# KiCad board OLD_PCB.kicad_pcb (continued)
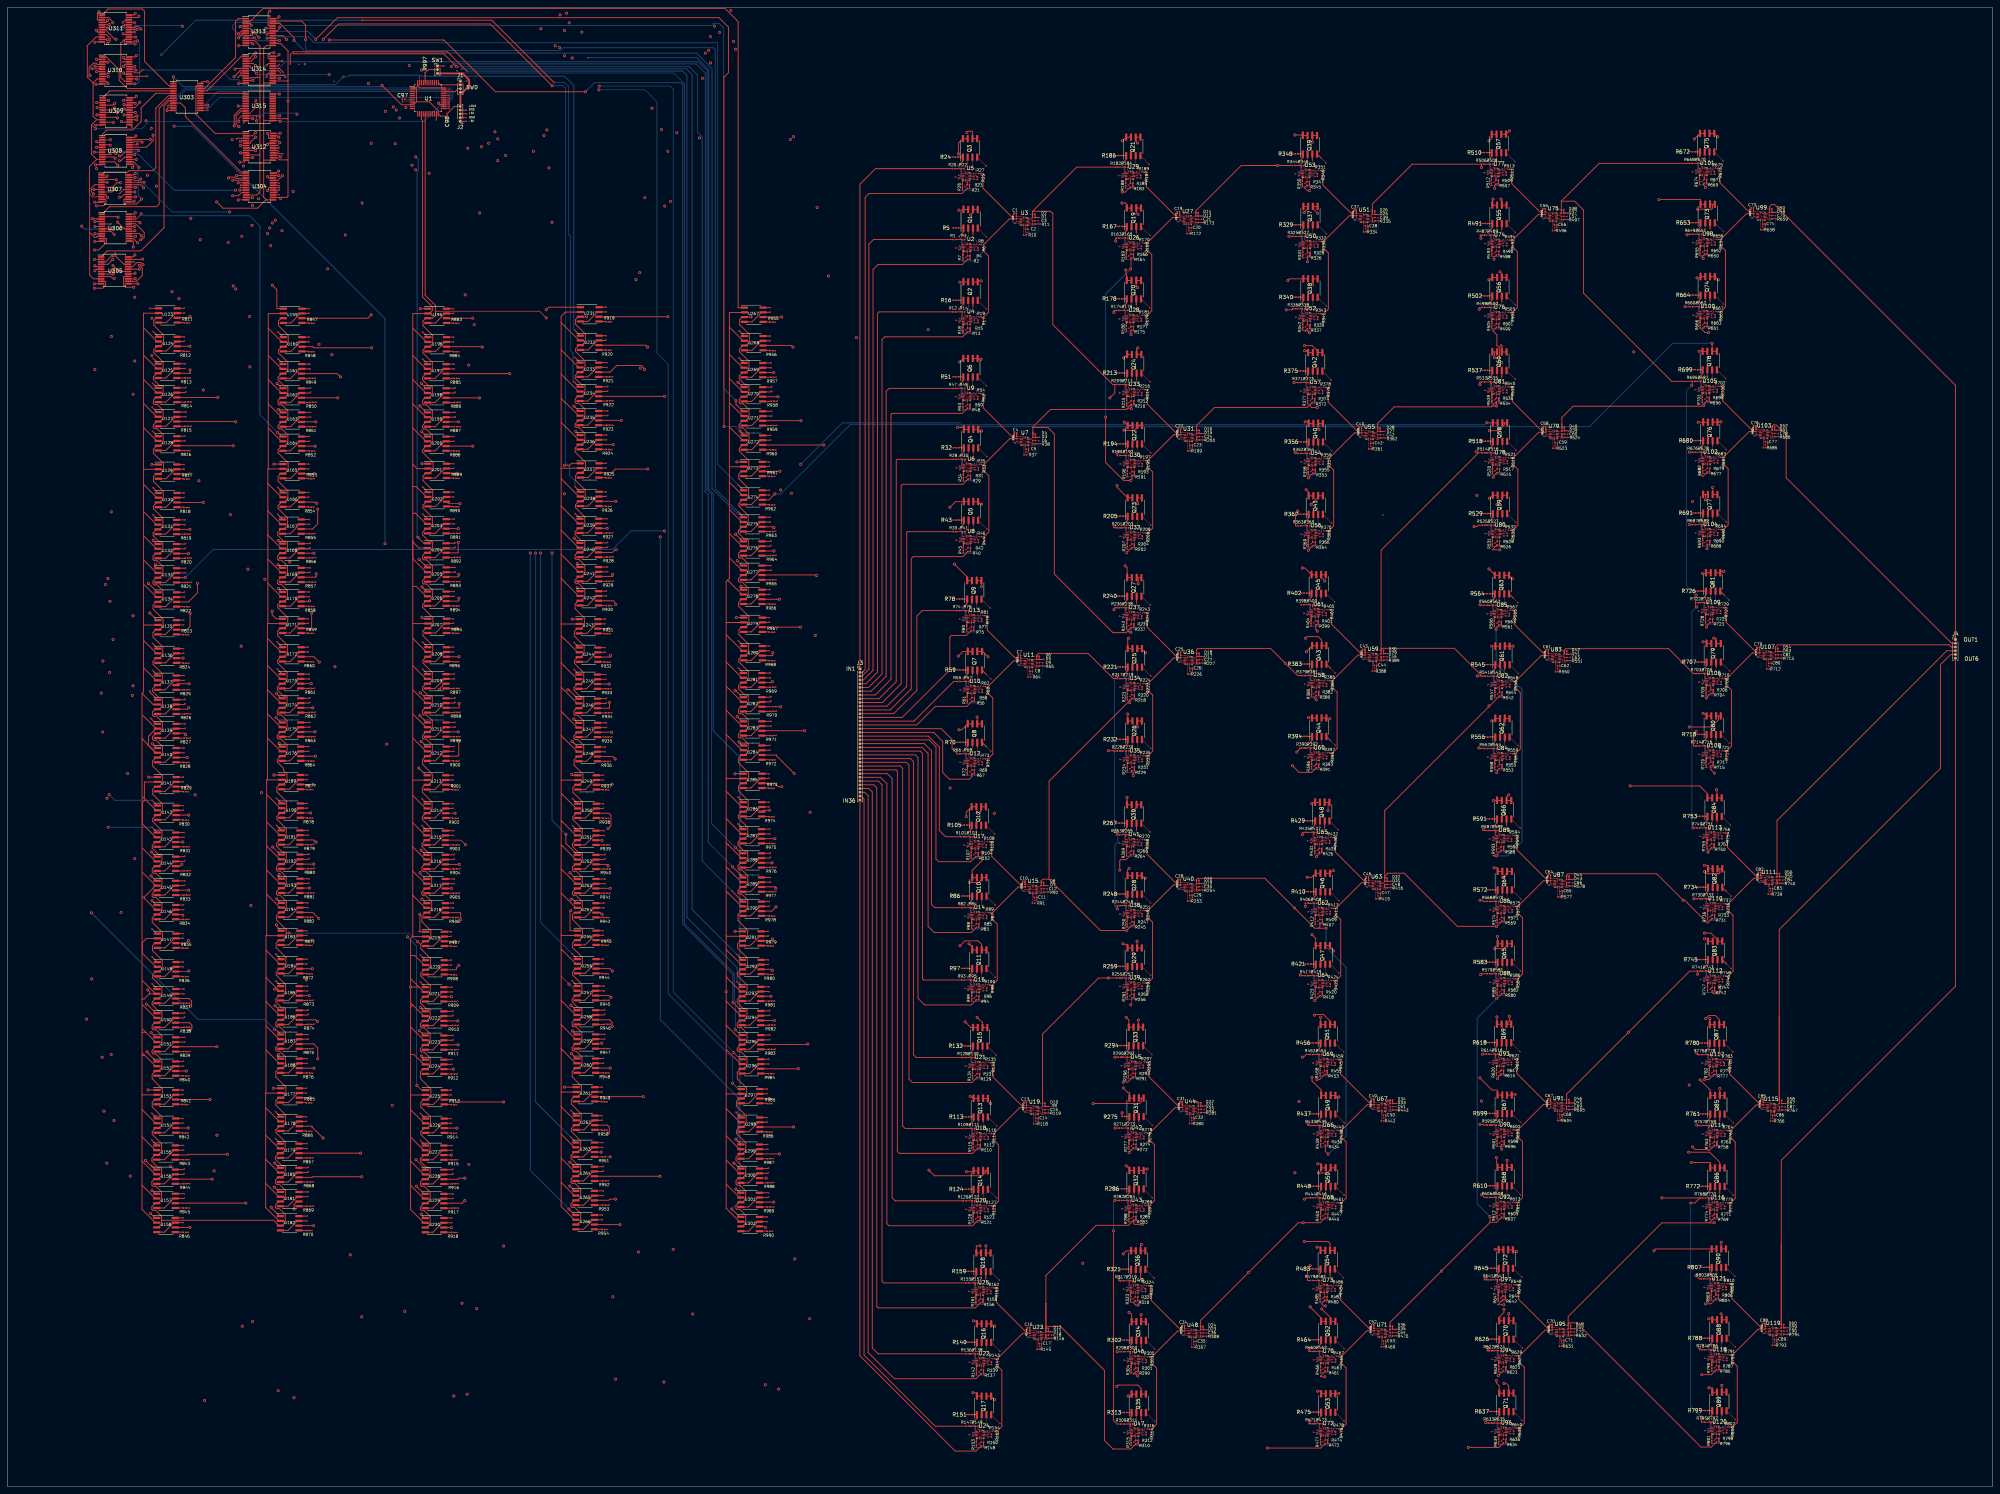
[diagram p0: board, top side]
## Routing (per net, layer and track width the routed paths; a pad name or vN(x,y) marks a point on that pad's centre or on a via; arc(x,y) is an arc through that point) (continued)
Net-(Q33B-G2): length 15.5
  Top w0.1: v1(305.55,115.36) 305.55,115.38 Q33.4 ; v1(299.95,109.86) 300.04,109.86 R293.2 300.52,110.35 300.52,111.54 300.51,111.55
  In1.Cu w0.1: v1(305.55,115.36) 305.55,111.36 304.05,109.86 v1(299.95,109.86)
Net-(Q33B-S2): length 7.6
  Top w0.1: 301.94,117.73 301.94,115.25 302.88,114.31 302.88,113.27 302.54,112.93 ; 302.54,112.93 302.8,112.93 303.28,112.44 ; 302.54,112.93 301.28,112.93 U45.11
  Top w0.25: 303.28,112.44 R295.2
Net-(Q34A-G1): length 4.9
  Top w0.1: U46.14 300.47,35.18 R300.2 301.42,36.95 301.42,39.06
  Top w0.25: 300.51,36.04 R300.2 ; Q34.2 301.42,39.06
Net-(Q34A-S1): length 9.4
  Top w0.1: U46.4 300.08,33.47 299.43,33.47 299.24,33.29 v1(299,33.29)
  Top w0.25: v1(298.9,36.8) 300.15,38.05 300.15,39.06 Q34.1 300.11,39.1 R302.2
  Bottom w0.25: v1(299,33.29) 299.6,33.89 299.6,36.1 v1(298.9,36.8)
Net-(Q34B-G2): length 15.9
  Top w0.1: U46.7 301.27,32.88 301.27,31.68 300.79,31.2 v1(300.7,31.2) ; 303.96,39.06 306.3,36.72 v1(306.3,36.7)
  Top w0.25: 301.03,31.44 R301.2 ; Q34.4 303.96,39.06
  In1.Cu w0.1: v1(306.3,36.7) 306.3,32.7 304.8,31.2 v1(300.7,31.2)
Net-(Q34B-S2): length 9.3
  Top w0.1: 302.69,39.06 302.69,36.58 303.62,35.64 303.62,34.6 303.29,34.27 ; 303.29,34.27 303.55,34.27 R303.2 ; 303.29,34.27 302.03,34.27 U46.11
  Top w0.25: Q34.3 302.69,37.28
Net-(Q35A-G1): length 4.9
  Top w0.1: U47.14 300.46,15.86 R311.2 301.41,17.62 301.41,19.74
  Top w0.25: R311.2 300.5,16.71 300.5,16.71 ; Q35.2 301.41,19.74
Net-(Q35A-S1): length 9.4
  Top w0.1: U47.4 300.07,14.15 299.42,14.15 299.23,13.96 v1(299,13.96)
  Top w0.25: R313.2 300.1,19.78 Q35.1 300.14,18.72 v1(298.89,17.48)
  Bottom w0.25: v1(299,13.96) 299.6,14.57 299.6,16.77 v1(298.89,17.48)
Net-(Q35B-G2): length 15.9
  Top w0.1: 301.25,13.56 301.27,13.55 R312.2 300.79,11.88 v1(300.69,11.88) ; 303.95,19.74 306.29,17.39 v1(306.29,17.38)
  Top w0.25: 301.03,12.12 R312.2 ; Q35.4 303.95,19.74
  In1.Cu w0.1: v1(300.69,11.88) 304.79,11.88 306.29,13.38 v1(306.29,17.38)
Net-(Q35B-S2): length 9.3
  Top w0.1: 303.28,14.94 303.62,15.28 303.62,16.32 302.68,17.26 Q35.3 ; 303.28,14.94 302.03,14.94 U47.11 ; 303.28,14.94 303.54,14.94 R314.2 304.03,14.45
  Top w0.25: 302.68,17.96 302.68,17.96 Q35.3
Net-(Q36A-G1): length 4.8
  Top w0.1: 300.71,53.73 300.32,54.12 R319.2 301.27,55.89 301.27,58
  Top w0.25: Q36.2 301.27,58
Net-(Q36A-S1): length 9.4
  Top w0.1: v1(298.85,52.23) 299.09,52.23 299.28,52.41 299.93,52.41 U49.4
  Top w0.25: 298.67,58.04 299.96,58.04 Q36.1 300,58 300,56.98 v1(298.75,55.74)
  Bottom w0.25: v1(298.75,55.74) 299.45,55.03 299.45,52.83 v1(298.85,52.23)
Net-(Q36B-G2): length 15.6
  Top w0.1: v1(300.55,50.14) 300.64,50.14 301.12,50.62 R320.2 301.12,51.81 301.11,51.83 ; v1(306.15,55.64) 306.15,55.65 303.83,57.97 303.81,58
  Top w0.25: Q36.4 303.83,57.98 303.83,57.97
  In1.Cu w0.1: v1(306.15,55.64) 306.15,51.64 304.65,50.14 v1(300.55,50.14)
Net-(Q36B-S2): length 11.4
  Top w0.1: 303.14,53.2 301.88,53.2 U49.11 ; 303.14,53.2 303.4,53.2 R322.2 ; 303.14,53.2 303.48,53.54 303.48,54.58 303.24,54.81 302.54,55.52 302.54,58
  Top w0.25: Q36.3 302.54,55.52 303.24,54.81 ; 303.64,52.96 R322.2
Net-(Q37A-G1): length 4.8
  Top w0.1: Q37.2 347.26,334.81 R327.2 346.31,333.05 346.71,332.65
Net-(Q37A-S1): length 9.4
  Top w0.1: v1(344.85,331.15) 345.09,331.15 345.27,331.34 345.92,331.34 U50.4
  Top w0.25: v1(344.75,334.66) 346,335.91 Q37.1 345.96,336.96 R329.2
  Bottom w0.25: v1(344.85,331.15) 345.45,331.76 345.45,333.96 v1(344.75,334.66)
Net-(Q37B-G2): length 16.1
  Top w0.1: v1(352.15,334.56) 352.15,334.58 Q37.4 ; 347.11,330.75 347.12,330.74 347.12,329.54 346.64,329.06 v1(346.55,329.06)
  Top w0.25: 347.12,330.14 347.12,330.14 R328.2
  In1.Cu w0.1: v1(346.55,329.06) 350.65,329.06 352.15,330.56 v1(352.15,334.56)
Net-(Q37B-S2): length 7.9
  Top w0.1: 349.14,332.13 347.88,332.13 U50.11 ; 349.14,332.13 349.4,332.13 349.88,331.64 ; 349.14,332.13 349.47,332.47 349.47,333.51 348.53,334.45 Q37.3
  Top w0.25: 349.64,331.89 R330.2
Net-(Q38A-G1): length 4.8
  Top w0.1: U52.14 346.31,313.72 R338.2 347.26,315.49 Q38.2
Net-(Q38A-S1): length 9.4
  Top w0.1: U52.4 345.92,312.01 345.27,312.01 345.08,311.83 v1(344.84,311.83)
  Top w0.25: R340.2 345.95,317.64 Q38.1 345.99,316.58 v1(344.74,315.34)
  Bottom w0.25: v1(344.84,311.83) 345.45,312.43 345.45,314.63 v1(344.74,315.34)
Net-(Q38B-G2): length 16.1
  Top w0.1: U52.7 347.12,311.42 R339.2 346.64,309.74 v1(346.54,309.74) ; Q38.4 352.14,315.26 v1(352.14,315.24)
  Top w0.25: 347.12,310.82 R339.2
  In1.Cu w0.1: v1(352.14,315.24) 352.14,311.24 350.64,309.74 v1(346.54,309.74)
Net-(Q38B-S2): length 7.9
  Top w0.1: U52.11 347.88,312.8 349.13,312.8 ; R341.2 349.39,312.8 349.13,312.8 ; 349.13,312.8 349.47,313.14 349.47,314.18 348.53,315.12 Q38.3
  Top w0.25: 349.63,312.56 R341.2
Net-(Q39A-G1): length 6.6
  Top w0.1: Q39.2 347.12,353.75 R346.2 346.17,351.98 U53.14
  Top w0.25: 346.64,353.27 R346.2 ; 347.12,354.81 Q39.2
Net-(Q39A-S1): length 9.9
  Top w0.1: v1(344.7,350.09) 344.94,350.09 345.13,350.27 345.78,350.27 U53.4
  Top w0.25: 345.85,355.35 Q39.1 ; 345.85,355.35 345.85,354.85 v1(344.6,353.6) ; 345.85,355.35 Q39.1 ; Q39.1 345.81,355.9 R348.2
  Bottom w0.25: v1(344.6,353.6) 345.3,352.9 345.3,350.69 v1(344.7,350.09)
Net-(Q39B-G2): length 17.5
  Top w0.1: Q39.4 352,353.52 v1(352,353.5) ; v1(346.4,348) 346.49,348 346.97,348.48 346.97,349.68 U53.7
  Top w0.25: 346.73,348.24 R347.2 ; 350.83,354.69 Q39.4
  In1.Cu w0.1: v1(346.4,348) 350.5,348 352,349.5 v1(352,353.5)
Net-(Q39B-S2): length 9.5
  Top w0.1: Q39.3 348.39,353.38 349.32,352.44 349.32,351.4 348.99,351.06 ; 348.99,351.06 349.25,351.06 R349.2 ; 348.99,351.06 347.73,351.06 U53.11
  Top w0.25: 349.49,350.82 R349.2 ; Q39.3 348.39,354.24
Net-(Q40A-G1): length 4.8
  Top w0.1: Q40.2 348.68,276.85 347.73,275.9 347.73,275.09 348.12,274.69
Net-(Q40A-S1): length 9.4
  Top w0.1: U54.4 347.34,273.38 346.69,273.38 346.5,273.19 v1(346.26,273.19)
  Top w0.25: 347.41,278.96 347.41,277.95 v1(346.16,276.7) ; 347.41,278.96 347.37,279 R356.2 ; 347.41,278.96 Q40.1
  Bottom w0.25: v1(346.16,276.7) 346.87,276 346.87,273.79 v1(346.26,273.19)
Net-(Q40B-G2): length 15.7
  Top w0.1: v1(353.56,276.6) 353.56,276.62 351.24,278.94 Q40.4 ; U54.7 348.54,272.78 348.54,271.58 348.06,271.1 v1(347.96,271.1)
  Top w0.25: 348.43,271.48 R355.2 ; Q40.4 351.24,278.94
  In1.Cu w0.1: v1(353.56,276.6) 353.56,272.6 352.06,271.1 v1(347.96,271.1)
Net-(Q40B-S2): length 7.6
  Top w0.1: R357.2 350.81,274.17 350.55,274.17 ; 349.95,278.96 349.95,276.48 350.89,275.54 350.89,274.5 350.55,274.17 ; 350.55,274.17 349.3,274.17 U54.11
  Top w0.25: Q40.3 349.95,278.96
Net-(Q41A-G1): length 4.8
  Top w0.1: 348.12,255.37 347.72,255.76 R365.2 348.67,257.53 348.67,259.64
  Top w0.25: Q41.2 348.67,259.64
Net-(Q41A-S1): length 9.4
  Top w0.1: U56.4 347.33,254.05 346.68,254.05 346.5,253.87 v1(346.26,253.87)
  Top w0.25: 347.4,259.64 347.4,258.62 v1(346.16,257.38) ; 347.4,259.64 Q41.1 ; 347.4,259.64 347.37,259.68 R367.2
  Bottom w0.25: v1(346.26,253.87) 346.86,254.47 346.86,256.67 v1(346.16,257.38)
Net-(Q41B-G2): length 15.7
  Top w0.1: 351.21,259.64 353.56,257.29 v1(353.56,257.28) ; 348.52,253.47 348.53,253.45 R366.2 348.05,251.78 v1(347.96,251.78)
  Top w0.25: Q41.4 351.21,259.64 ; 348.43,252.15 R366.2
  In1.Cu w0.1: v1(353.56,257.28) 353.56,253.28 352.06,251.78 v1(347.96,251.78)
Net-(Q41B-S2): length 7.6
  Top w0.1: U56.11 349.29,254.84 350.55,254.84 ; 351.29,254.36 350.8,254.84 350.55,254.84 ; 350.55,254.84 350.88,255.18 350.88,256.22 349.94,257.16 349.94,259.64
  Top w0.25: Q41.3 349.94,259.64
Net-(Q42A-G1): length 4.9
  Top w0.1: Q42.2 348.53,295.79 R373.2 347.58,294.02 U57.14
  Top w0.25: 347.62,294.88 R373.2
Net-(Q42A-S1): length 9.4
  Top w0.1: v1(346.11,292.13) 346.35,292.13 346.54,292.31 347.19,292.31 347.22,292.28
  Top w0.25: v1(346.01,295.64) 347.26,296.88 Q42.1 347.22,297.94 345.93,297.94 R375.2
  Bottom w0.25: v1(346.11,292.13) 346.72,292.73 346.72,294.93 v1(346.01,295.64)
Net-(Q42B-G2): length 16.2
  Top w0.1: v1(353.41,295.54) 353.41,295.55 Q42.4 ; v1(347.81,290.04) 347.91,290.04 R374.2 348.39,291.71 U57.7
  Top w0.25: Q42.4 351.09,297.88 ; 348.39,291.12 R374.2
  In1.Cu w0.1: v1(347.81,290.04) 351.91,290.04 353.41,291.54 v1(353.41,295.54)
Net-(Q42B-S2): length 7.6
  Top w0.1: 349.12,293.08 349.15,293.1 350.4,293.1 ; 350.4,293.1 350.74,293.44 350.74,294.48 349.8,295.42 Q42.3 ; 350.4,293.1 350.66,293.1 R376.2
Net-(Q43A-G1): length 4.8
  Top w0.1: Q43.2 349.6,217.51 R381.2 348.65,215.75 U58.14
Net-(Q43A-S1): length 9.4
  Top w0.1: v1(347.19,213.85) 347.43,213.85 347.61,214.04 348.26,214.04 U58.4
  Top w0.25: R383.2 348.29,219.66 Q43.1 348.33,218.61 v1(347.09,217.36)
  Bottom w0.25: v1(347.09,217.36) 347.79,216.66 347.79,214.45 v1(347.19,213.85)
Net-(Q43B-G2): length 17.5
  Top w0.1: U58.7 349.46,213.44 349.46,212.24 348.98,211.76 v1(348.89,211.76) ; 352.14,219.62 354.49,217.28 v1(354.49,217.26)
  Top w0.25: 353.31,218.45 Q43.4 ; 349.22,212 R382.2
  In1.Cu w0.1: v1(348.89,211.76) 352.99,211.76 354.49,213.26 v1(354.49,217.26)
Net-(Q43B-S2): length 7.6
  Top w0.1: 351.47,214.83 350.22,214.83 U58.11 ; 351.47,214.83 351.81,215.16 351.81,216.21 350.87,217.15 Q43.3 ; 351.47,214.83 351.73,214.83 R384.2
Net-(Q44A-G1): length 4.8
  Top w0.1: 349.04,196.03 348.65,196.42 R392.2 349.6,198.19 Q44.2
Net-(Q44A-S1): length 9.4
  Top w0.1: v1(347.18,194.53) 347.42,194.53 347.61,194.71 348.26,194.71 U60.4
  Top w0.25: R394.2 348.29,200.34 Q44.1 348.33,199.28 v1(347.08,198.04)
  Bottom w0.25: v1(347.08,198.04) 347.78,197.33 347.78,195.13 v1(347.18,194.53)
Net-(Q44B-G2): length 17.5
  Top w0.1: v1(354.48,197.94) 354.48,197.95 Q44.4 ; v1(348.88,192.44) 348.97,192.44 349.45,192.92 349.45,194.11 U60.7
  Top w0.25: 353.31,199.13 Q44.4 ; 349.21,192.68 R393.2
  In1.Cu w0.1: v1(348.88,192.44) 352.98,192.44 354.48,193.94 v1(354.48,197.94)
Net-(Q44B-S2): length 7.6
  Top w0.1: 352.21,195.02 351.73,195.5 351.47,195.5 ; 351.47,195.5 351.81,195.84 351.81,196.88 350.87,197.82 Q44.3 ; 351.47,195.5 350.22,195.5 U60.11
  Top w0.25: 352.21,195.02 R395.2
Net-(Q45A-G1): length 6.3
  Top w0.1: Q45.2 349.45,236.45 348.5,235.5 348.5,234.68 U61.14
  Top w0.25: 348.5,235.09 348.5,235.09 R400.2 ; 349.45,237.5 Q45.2
Net-(Q45A-S1): length 9.9
  Top w0.15: U61.4 347.64,232.94 347.49,232.79 v1(347.04,232.79)
  Top w0.25: 348.18,238.05 348.18,237.54 v1(346.94,236.3) ; 348.18,238.05 348.18,238.56 348.14,238.6 346.86,238.6 ; 348.18,238.05 348.18,238.05 Q45.1 ; 346.86,238.6 R402.2 346.86,238.6
  Bottom w0.25: v1(347.04,232.79) 347.64,233.39 347.64,235.59 v1(346.94,236.3)
Net-(Q45B-G2): length 15.5
  Top w0.1: U61.7 349.31,232.37 349.31,231.18 348.83,230.7 v1(348.74,230.7) ; v1(354.34,236.2) 354.34,236.22 Q45.4
  In1.Cu w0.1: v1(348.74,230.7) 352.84,230.7 354.34,232.2 v1(354.34,236.2)
Net-(Q45B-S2): length 8.8
  Top w0.1: R403.2 351.58,233.76 351.32,233.76 ; 350.72,238.56 350.72,236.08 351.66,235.14 351.66,234.1 351.32,233.76 ; U61.11 350.07,233.76 351.32,233.76
  Top w0.25: Q45.3 350.72,237.32 350.72,237.32
Net-(Q46A-G1): length 4.8
  Top w0.1: Q46.2 350.56,156.71 349.61,155.76 R408.2 349.61,154.95 350.01,154.55
Net-(Q46A-S1): length 9.4
  Top w0.1: v1(348.15,153.05) 348.39,153.05 348.57,153.24 349.22,153.24 U62.4
  Top w0.25: v1(348.05,156.56) 349.29,157.81 Q46.1 349.26,158.86 R410.2
  Bottom w0.25: v1(348.05,156.56) 348.75,155.86 348.75,153.66 v1(348.15,153.05)
Net-(Q46B-G2): length 15.5
  Top w0.1: 350.41,152.65 350.42,152.64 350.42,151.45 R409.2 349.94,150.96 v1(349.85,150.96) ; Q46.4 355.45,156.48 v1(355.45,156.46)
  In1.Cu w0.1: v1(349.85,150.96) 353.95,150.96 355.45,152.46 v1(355.45,156.46)
Net-(Q46B-S2): length 7.6
  Top w0.1: Q46.3 351.83,156.35 352.77,155.41 352.77,154.37 352.44,154.03 ; 352.44,154.03 351.18,154.03 U62.11 ; 352.44,154.03 352.7,154.03 353.18,153.54
  Top w0.25: 353.18,153.54 R411.2
Net-(Q47A-G1): length 4.8
  Top w0.1: Q47.2 350.56,137.39 R419.2 349.61,135.62 U64.14
Net-(Q47A-S1): length 9.4
  Top w0.1: v1(348.14,133.73) 348.38,133.73 348.57,133.91 349.22,133.91 349.25,133.88
  Top w0.25: R421.2 347.96,139.54 349.25,139.54 Q47.1 349.29,138.48 v1(348.04,137.24)
  Bottom w0.25: v1(348.04,137.24) 348.75,136.54 348.75,134.33 v1(348.14,133.73)
Net-(Q47B-G2): length 15.5
  Top w0.1: v1(349.84,131.64) 349.94,131.64 R420.2 350.42,133.31 U64.7 ; Q47.4 355.44,137.16 v1(355.44,137.14)
  In1.Cu w0.1: v1(355.44,137.14) 355.44,133.14 353.94,131.64 v1(349.84,131.64)
Net-(Q47B-S2): length 7.6
  Top w0.1: R422.2 352.69,134.7 352.43,134.7 ; Q47.3 351.83,137.02 352.77,136.08 352.77,135.04 352.43,134.7 ; 352.43,134.7 351.18,134.7 351.15,134.68
Net-(Q48A-G1): length 4.9
  Top w0.1: 350.42,177.76 350.42,175.65 R427.2 349.47,173.88 U65.14
  Top w0.25: Q48.2 350.42,177.76 ; 349.51,174.74 R427.2
Net-(Q48A-S1): length 9.4
  Top w0.1: v1(348,171.99) 348.24,171.99 348.43,172.17 349.08,172.17 U65.4
  Top w0.25: R429.2 349.11,177.8 Q48.1 349.15,177.76 349.15,176.75 v1(347.9,175.5)
  Bottom w0.25: v1(348,171.99) 348.6,172.59 348.6,174.8 v1(347.9,175.5)
Net-(Q48B-G2): length 15.9
  Top w0.1: U65.7 350.27,171.58 350.27,170.38 349.79,169.9 v1(349.7,169.9) ; v1(355.3,175.4) 355.3,175.42 352.96,177.76
  Top w0.25: Q48.4 352.96,177.76 ; 350.03,170.14 R428.2
  In1.Cu w0.1: v1(355.3,175.4) 355.3,171.4 353.8,169.9 v1(349.7,169.9)
Net-(Q48B-S2): length 9.3
  Top w0.1: U65.11 351.03,172.97 352.29,172.97 ; 352.29,172.97 352.55,172.97 R430.2 ; 352.29,172.97 352.62,173.3 352.62,174.34 351.69,175.28 351.69,177.76
  Top w0.25: Q48.3 351.69,175.98
Net-(Q49A-G1): length 5.2
  Top w0.1: 351.46,95.22 351.06,95.61 351.06,96.43 352.01,97.38 Q49.2
  Top w0.25: 351.06,96.02 R435.2
Net-(Q49A-S1): length 9.9
  Top w0.1: U66.4 350.67,93.9 350.02,93.9 349.84,93.72 v1(349.6,93.72)
  Top w0.25: 350.74,98.98 350.74,98.47 v1(349.5,97.23) ; 350.74,98.98 350.74,98.98 Q49.1 ; 350.74,98.98 Q49.1 ; Q49.1 350.71,99.53 349.42,99.53
  Bottom w0.25: v1(349.5,97.23) 350.2,96.52 350.2,94.32 v1(349.6,93.72)
Net-(Q49B-G2): length 15.5
  Top w0.1: v1(351.3,91.63) 351.39,91.63 R436.2 351.87,93.3 351.86,93.32 ; v1(356.9,97.13) 356.9,97.14 Q49.4
  In1.Cu w0.1: v1(356.9,97.13) 356.9,93.13 355.4,91.63 v1(351.3,91.63)
Net-(Q49B-S2): length 8.8
  Top w0.1: 354.63,94.21 354.14,94.69 353.89,94.69 ; Q49.3 353.28,97.01 354.22,96.07 354.22,95.03 353.89,94.69 ; 353.89,94.69 352.63,94.69 U66.11
  Top w0.25: 353.28,98.25 Q49.3
Net-(Q50A-G1): length 6.3
  Top w0.1: 352.01,80.16 352.01,78.05 R446.2 351.06,76.29 U68.14
  Top w0.25: 351.06,76.69 R446.2 ; Q50.2 352.01,79.11 352.01,79.11
Net-(Q50A-S1): length 9.9
  Top w0.1: v1(349.59,74.39) 349.83,74.39 350.02,74.58 350.67,74.58 350.7,74.54
  Top w0.25: Q50.1 350.7,80.2 349.41,80.2 ; Q50.1 350.74,79.66 ; Q50.1 350.74,79.66 ; v1(349.49,77.9) 350.74,79.15 350.74,79.66
  Bottom w0.25: v1(349.49,77.9) 350.2,77.2 350.2,75 v1(349.59,74.39)
Net-(Q50B-G2): length 15.5
  Top w0.1: v1(351.29,72.3) 351.39,72.3 R447.2 351.87,73.98 U68.7 ; Q50.4 356.89,77.82 v1(356.89,77.8)
  In1.Cu w0.1: v1(351.29,72.3) 355.39,72.3 356.89,73.8 v1(356.89,77.8)
Net-(Q50B-S2): length 8.8
  Top w0.1: 353.88,75.37 354.22,75.71 354.22,76.75 353.28,77.69 Q50.3 ; 353.88,75.37 352.63,75.37 352.6,75.34 ; 353.88,75.37 354.14,75.37 R449.2
  Top w0.25: 353.28,78.93 353.28,78.93 Q50.3
Net-(Q51A-G1): length 4.8
  Top w0.1: 351.86,118.43 351.86,116.31 350.91,115.36 R454.2 350.91,114.55 351.31,114.15
Net-(Q51A-S1): length 9.4
  Top w0.1: v1(349.45,112.65) 349.69,112.65 349.88,112.84 350.52,112.84 U69.4
  Top w0.25: v1(349.35,116.16) 350.59,117.41 Q51.1 350.56,118.46 R456.2
  Bottom w0.25: v1(349.35,116.16) 350.05,115.46 350.05,113.26 v1(349.45,112.65)
Net-(Q51B-G2): length 15.5
  Top w0.1: 351.71,112.25 351.72,112.24 351.72,111.05 R455.2 351.24,110.56 v1(351.15,110.56) ; v1(356.75,116.06) 356.75,116.08 Q51.4
  In1.Cu w0.1: v1(351.15,110.56) 355.25,110.56 356.75,112.06 v1(356.75,116.06)
Net-(Q51B-S2): length 7.6
  Top w0.1: U69.11 352.48,113.63 353.74,113.63 ; Q51.3 353.13,115.95 354.07,115.01 354.07,113.97 353.74,113.63 ; 353.74,113.63 354,113.63 354.48,113.14
  Top w0.25: 354.48,113.14 R457.2
Net-(Q52A-G1): length 4.8
  Top w0.1: Q52.2 352,37.04 R462.2 351.05,35.28 U70.14
Net-(Q52A-S1): length 9.4
  Top w0.1: v1(349.58,33.38) 349.82,33.38 350.01,33.57 350.66,33.57 350.69,33.54
  Top w0.25: Q52.1 350.73,38.14 v1(349.48,36.9) ; Q52.1 350.71,39.18 ; Q52.1 350.71,39.18 ; 350.71,39.18 350.69,39.2 349.4,39.2 R464.2
  Bottom w0.25: v1(349.48,36.9) 350.19,36.19 350.19,33.99 v1(349.58,33.38)
Net-(Q52B-G2): length 15.6
  Top w0.1: Q52.4 354.56,39.13 356.88,36.81 v1(356.88,36.8) ; v1(351.28,31.3) 351.38,31.3 R463.2 351.86,32.97 U70.7
  Top w0.25: Q52.4 354.56,39.13
  In1.Cu w0.1: v1(356.88,36.8) 356.88,32.8 355.38,31.3 v1(351.28,31.3)
Net-(Q52B-S2): length 7.9
  Top w0.1: 352.59,34.34 352.62,34.36 353.87,34.36 ; 353.87,34.36 354.21,34.7 354.21,35.74 353.27,36.68 Q52.3 ; 353.87,34.36 354.13,34.36 R465.2
  Top w0.25: 354.37,34.12 R465.2
Net-(Q53A-G1): length 4.8
  Top w0.1: Q53.2 352,17.72 R473.2 351.04,15.95 U72.14
Net-(Q53A-S1): length 9.4
  Top w0.1: v1(349.58,14.06) 349.82,14.06 350,14.24 350.65,14.24 350.69,14.21
  Top w0.25: 350.71,19.85 350.72,19.83 ; 350.71,19.85 350.72,19.83 ; 350.71,19.85 350.69,19.87 R475.2 ; 350.72,19.83 350.72,18.82 v1(349.48,17.57)
  Bottom w0.25: v1(349.58,14.06) 350.18,14.66 350.18,16.87 v1(349.48,17.57)
Net-(Q53B-G2): length 15.5
  Top w0.1: v1(351.28,11.97) 351.37,11.97 R474.2 351.85,12.45 351.85,13.65 U72.7 ; v1(356.88,17.47) 356.88,17.49 Q53.4
  In1.Cu w0.1: v1(356.88,17.47) 356.88,13.47 355.38,11.97 v1(351.28,11.97)
Net-(Q53B-S2): length 7.9
  Top w0.1: 352.59,15.01 352.61,15.03 353.87,15.03 ; Q53.3 353.26,17.35 354.2,16.41 354.2,15.37 353.87,15.03 ; 353.87,15.03 354.13,15.03 R476.2
  Top w0.25: 354.37,14.79 R476.2
Net-(Q54A-G1): length 4.8
  Top w0.1: 351.29,53.82 350.9,54.22 R481.2 351.85,55.98 351.85,58.09
  Top w0.25: Q54.2 351.85,58.09
Net-(Q54A-S1): length 9.4
  Top w0.1: v1(349.44,52.32) 349.67,52.32 349.86,52.5 350.51,52.5 350.54,52.47
  Top w0.25: v1(349.33,55.83) 350.58,57.08 Q54.1 350.54,58.13 R483.2
  Bottom w0.25: v1(349.44,52.32) 350.04,52.92 350.04,55.13 v1(349.33,55.83)
Net-(Q54B-G2): length 15.5
  Top w0.1: 354.39,58.09 356.73,55.75 v1(356.73,55.73)
  Top w0.15: R482.2 351.71,51.91 U73.7
  Top w0.25: R482.2 351.23,50.23 v1(351.13,50.23) ; Q54.4 354.39,58.09
  In1.Cu w0.1: v1(351.13,50.23) 355.23,50.23 356.73,51.73 v1(356.73,55.73)
Net-(Q54B-S2): length 9.3
  Top w0.1: R484.2 353.98,53.3 353.72,53.3 ; 353.72,53.3 352.47,53.3 U73.11 ; 353.72,53.3 354.06,53.63 354.06,54.67 353.12,55.61 Q54.3
  Top w0.25: Q54.3 353.12,56.31 353.12,56.31
Net-(Q55A-G1): length 4.8
  Top w0.1: Q55.2 397.72,335.16 396.77,334.21 396.77,333.39 U74.14
Net-(Q55A-S1): length 9.4
  Top w0.1: v1(395.3,331.5) 395.54,331.5 395.73,331.68 396.38,331.68 U74.4
  Top w0.25: 396.45,337.27 396.45,336.25 v1(395.2,335.01) ; 396.45,337.27 Q55.1 ; 396.45,337.27 396.41,337.31 R491.2
  Bottom w0.25: v1(395.2,335.01) 395.91,334.31 395.91,332.1 v1(395.3,331.5)
Net-(Q55B-G2): length 15.7
  Top w0.1: Q55.4 400.28,337.25 402.6,334.93 v1(402.6,334.91) ; v1(397,329.41) 397.1,329.41 397.58,329.89 397.58,331.09 U74.7
  Top w0.25: 397.47,329.78 R490.2 ; Q55.4 400.28,337.25
  In1.Cu w0.1: v1(397,329.41) 401.1,329.41 402.6,330.91 v1(402.6,334.91)
Net-(Q55B-S2): length 9.1
  Top w0.1: 398.99,337.27 398.99,334.79 399.93,333.85 399.93,332.81 399.59,332.47 ; 399.59,332.47 398.34,332.47 U74.11 ; 399.59,332.47 399.85,332.47 R492.2
  Top w0.25: Q55.3 398.99,335.74 398.99,335.74
Net-(Q56A-G1): length 4.8
  Top w0.1: Q56.2 397.71,315.83 R500.2 396.76,314.07 397.16,313.67
Net-(Q56A-S1): length 9.4
  Top w0.1: v1(395.3,312.17) 395.54,312.17 395.72,312.36 396.37,312.36 U76.4
  Top w0.25: R502.2 396.41,317.98 Q56.1 396.44,316.93 v1(395.2,315.68)
  Bottom w0.25: v1(395.2,315.68) 395.9,314.98 395.9,312.78 v1(395.3,312.17)
Net-(Q56B-G2): length 15.7
  Top w0.1: Q56.4 400.28,317.92 402.6,315.6 v1(402.6,315.58) ; 397.56,311.77 397.57,311.76 R501.2 397.09,310.08 v1(397,310.08)
  Top w0.25: 397.47,310.46 R501.2 ; 400.28,317.92 Q56.4
  In1.Cu w0.1: v1(402.6,315.58) 402.6,311.58 401.1,310.08 v1(397,310.08)
Net-(Q56B-S2): length 9.1
  Top w0.1: 400.33,312.66 399.84,313.15 399.59,313.15 ; 399.59,313.15 398.33,313.15 U76.11 ; 399.59,313.15 399.92,313.49 399.92,314.53 398.98,315.47 Q56.3
  Top w0.25: Q56.3 398.98,316.41
Net-(Q57A-G1): length 4.8
  Top w0.1: Q57.2 397.57,354.09 R508.2 396.62,352.33 U77.14
Net-(Q57A-S1): length 9.4
  Top w0.1: v1(395.15,350.43) 395.39,350.43 395.58,350.62 396.23,350.62 U77.4
  Top w0.25: R510.2 396.26,356.25 Q57.1 396.3,355.19 v1(395.05,353.95)
  Bottom w0.25: v1(395.05,353.95) 395.76,353.24 395.76,351.04 v1(395.15,350.43)
Net-(Q57B-G2): length 16.1
  Top w0.1: v1(402.45,353.85) 402.45,353.86 Q57.4 ; v1(396.85,348.35) 396.95,348.35 R509.2 397.43,350.02 U77.7
  Top w0.25: 397.43,349.42 R509.2
  In1.Cu w0.1: v1(396.85,348.35) 400.95,348.35 402.45,349.85 v1(402.45,353.85)
Net-(Q57B-S2): length 7.9
  Top w0.1: 399.44,351.41 399.78,351.75 399.78,352.79 398.84,353.73 Q57.3 ; 399.44,351.41 399.7,351.41 R511.2 ; 399.44,351.41 398.19,351.41 U77.11
  Top w0.25: 399.94,351.17 R511.2
Net-(Q58A-G1): length 4.8
  Top w0.1: 397.31,274.85 396.91,275.25 R516.2 396.91,276.06 397.86,277.01 397.86,279.12
Net-(Q58A-S1): length 9.4
  Top w0.1: U78.4 396.52,273.54 395.88,273.54 395.69,273.35 v1(395.45,273.35)
  Top w0.25: v1(395.35,276.86) 396.59,278.11 Q58.1 396.56,279.16 R518.2
  Bottom w0.25: v1(395.35,276.86) 396.05,276.16 396.05,273.96 v1(395.45,273.35)
Net-(Q58B-G2): length 15.5
  Top w0.1: v1(402.75,276.76) 402.75,276.78 Q58.4 ; 397.71,272.95 397.72,272.94 397.72,271.75 R517.2 397.24,271.26 v1(397.15,271.26)
  In1.Cu w0.1: v1(397.15,271.26) 401.25,271.26 402.75,272.76 v1(402.75,276.76)
Net-(Q58B-S2): length 7.6
  Top w0.1: Q58.3 399.13,276.65 400.07,275.71 400.07,274.67 399.74,274.33 ; U78.11 398.48,274.33 399.74,274.33 ; 399.74,274.33 400,274.33 400.48,273.84
  Top w0.25: 400.48,273.84 R519.2
Net-(Q59A-G1): length 4.8
  Top w0.1: Q59.2 397.86,257.69 R527.2 396.91,255.92 U80.14
Net-(Q59A-S1): length 9.4
  Top w0.1: v1(395.44,254.03) 395.69,254.03 395.87,254.21 396.52,254.21 396.55,254.18
  Top w0.25: v1(395.34,257.54) 396.59,258.78 Q59.1 396.55,259.84 395.26,259.84 R529.2
  Bottom w0.25: v1(395.44,254.03) 396.05,254.63 396.05,256.84 v1(395.34,257.54)
Net-(Q59B-G2): length 15.5
  Top w0.1: U80.7 397.72,253.62 R528.2 397.24,251.94 v1(397.14,251.94) ; v1(402.74,257.44) 402.74,257.46 Q59.4
  In1.Cu w0.1: v1(402.74,257.44) 402.74,253.44 401.24,251.94 v1(397.14,251.94)
Net-(Q59B-S2): length 7.6
  Top w0.1: R530.2 399.99,255 399.73,255 ; 399.73,255 398.48,255 398.45,254.98 ; 399.73,255 400.07,255.34 400.07,256.38 399.13,257.32 Q59.3
Net-(Q60A-G1): length 4.9
  Top w0.1: U81.14 396.77,294.18 R535.2 397.72,295.95 397.72,298.06
  Top w0.25: 396.81,295.04 R535.2 ; Q60.2 397.72,298.06
Net-(Q60A-S1): length 9.4
  Top w0.1: v1(395.3,292.29) 395.54,292.29 395.73,292.47 396.38,292.47 U81.4
  Top w0.25: v1(395.2,295.8) 396.45,297.05 396.45,298.06 Q60.1 396.41,298.1 R537.2
  Bottom w0.25: v1(395.3,292.29) 395.9,292.89 395.9,295.1 v1(395.2,295.8)
Net-(Q60B-G2): length 15.9
  Top w0.1: v1(397,290.2) 397.09,290.2 397.57,290.68 397.57,291.88 U81.7 ; v1(402.6,295.7) 402.6,295.72 400.26,298.06
  Top w0.25: 397.33,290.44 R536.2 ; Q60.4 400.26,298.06
  In1.Cu w0.1: v1(402.6,295.7) 402.6,291.7 401.1,290.2 v1(397,290.2)
Net-(Q60B-S2): length 9.3
  Top w0.1: 399.59,293.27 398.33,293.27 U81.11 ; 399.59,293.27 399.92,293.6 399.92,294.64 398.99,295.58 398.99,298.06 ; 399.59,293.27 399.85,293.27 400.33,292.78
  Top w0.25: Q60.3 398.99,296.28
Net-(Q61A-G1): length 4.8
  Top w0.1: U82.14 397.57,215.59 397.57,216.41 R543.2 398.52,217.36 Q61.2
Net-(Q61A-S1): length 9.4
  Top w0.1: v1(396.1,213.7) 396.34,213.7 396.53,213.88 397.18,213.88 397.21,213.85
  Top w0.25: 395.92,219.51 397.21,219.51 397.25,219.47 ; 397.25,219.47 397.25,218.46 v1(396,217.21) ; 397.25,219.47 Q61.1
  Bottom w0.25: v1(396.1,213.7) 396.71,214.3 396.71,216.51 v1(396,217.21)
Net-(Q61B-G2): length 16.1
  Top w0.1: U82.7 398.38,213.29 398.38,212.09 397.9,211.61 v1(397.8,211.61) ; Q61.4 403.4,217.13 v1(403.4,217.11)
  Top w0.25: R544.2 398.38,212.69 398.38,212.69
  In1.Cu w0.1: v1(403.4,217.11) 403.4,213.11 401.9,211.61 v1(397.8,211.61)
Net-(Q61B-S2): length 8.8
  Top w0.1: R546.2 400.65,214.67 400.39,214.67 ; 400.39,214.67 400.73,215.01 400.73,216.05 399.79,216.99 399.79,219.47 ; 400.39,214.67 399.14,214.67 399.11,214.65
  Top w0.25: Q61.3 399.79,218.23 399.79,218.23
Net-(Q62A-G1): length 4.8
  Top w0.1: 397.96,195.87 397.56,196.27 R554.2 398.51,198.03 Q62.2
Net-(Q62A-S1): length 9.4
  Top w0.1: v1(396.1,194.37) 396.34,194.37 396.52,194.56 397.17,194.56 U84.4
  Top w0.25: 395.92,200.18 397.21,200.18 Q62.1 397.24,199.13 v1(396,197.88)
  Bottom w0.25: v1(396.1,194.37) 396.7,194.98 396.7,197.18 v1(396,197.88)
Net-(Q62B-G2): length 16.1
  Top w0.1: 398.36,193.97 398.37,193.96 398.37,192.77 397.89,192.28 v1(397.8,192.28) ; Q62.4 403.4,197.8 v1(403.4,197.78)